# Altium PCB Zotino.PCBDOC (part 7 of 8) (continued)
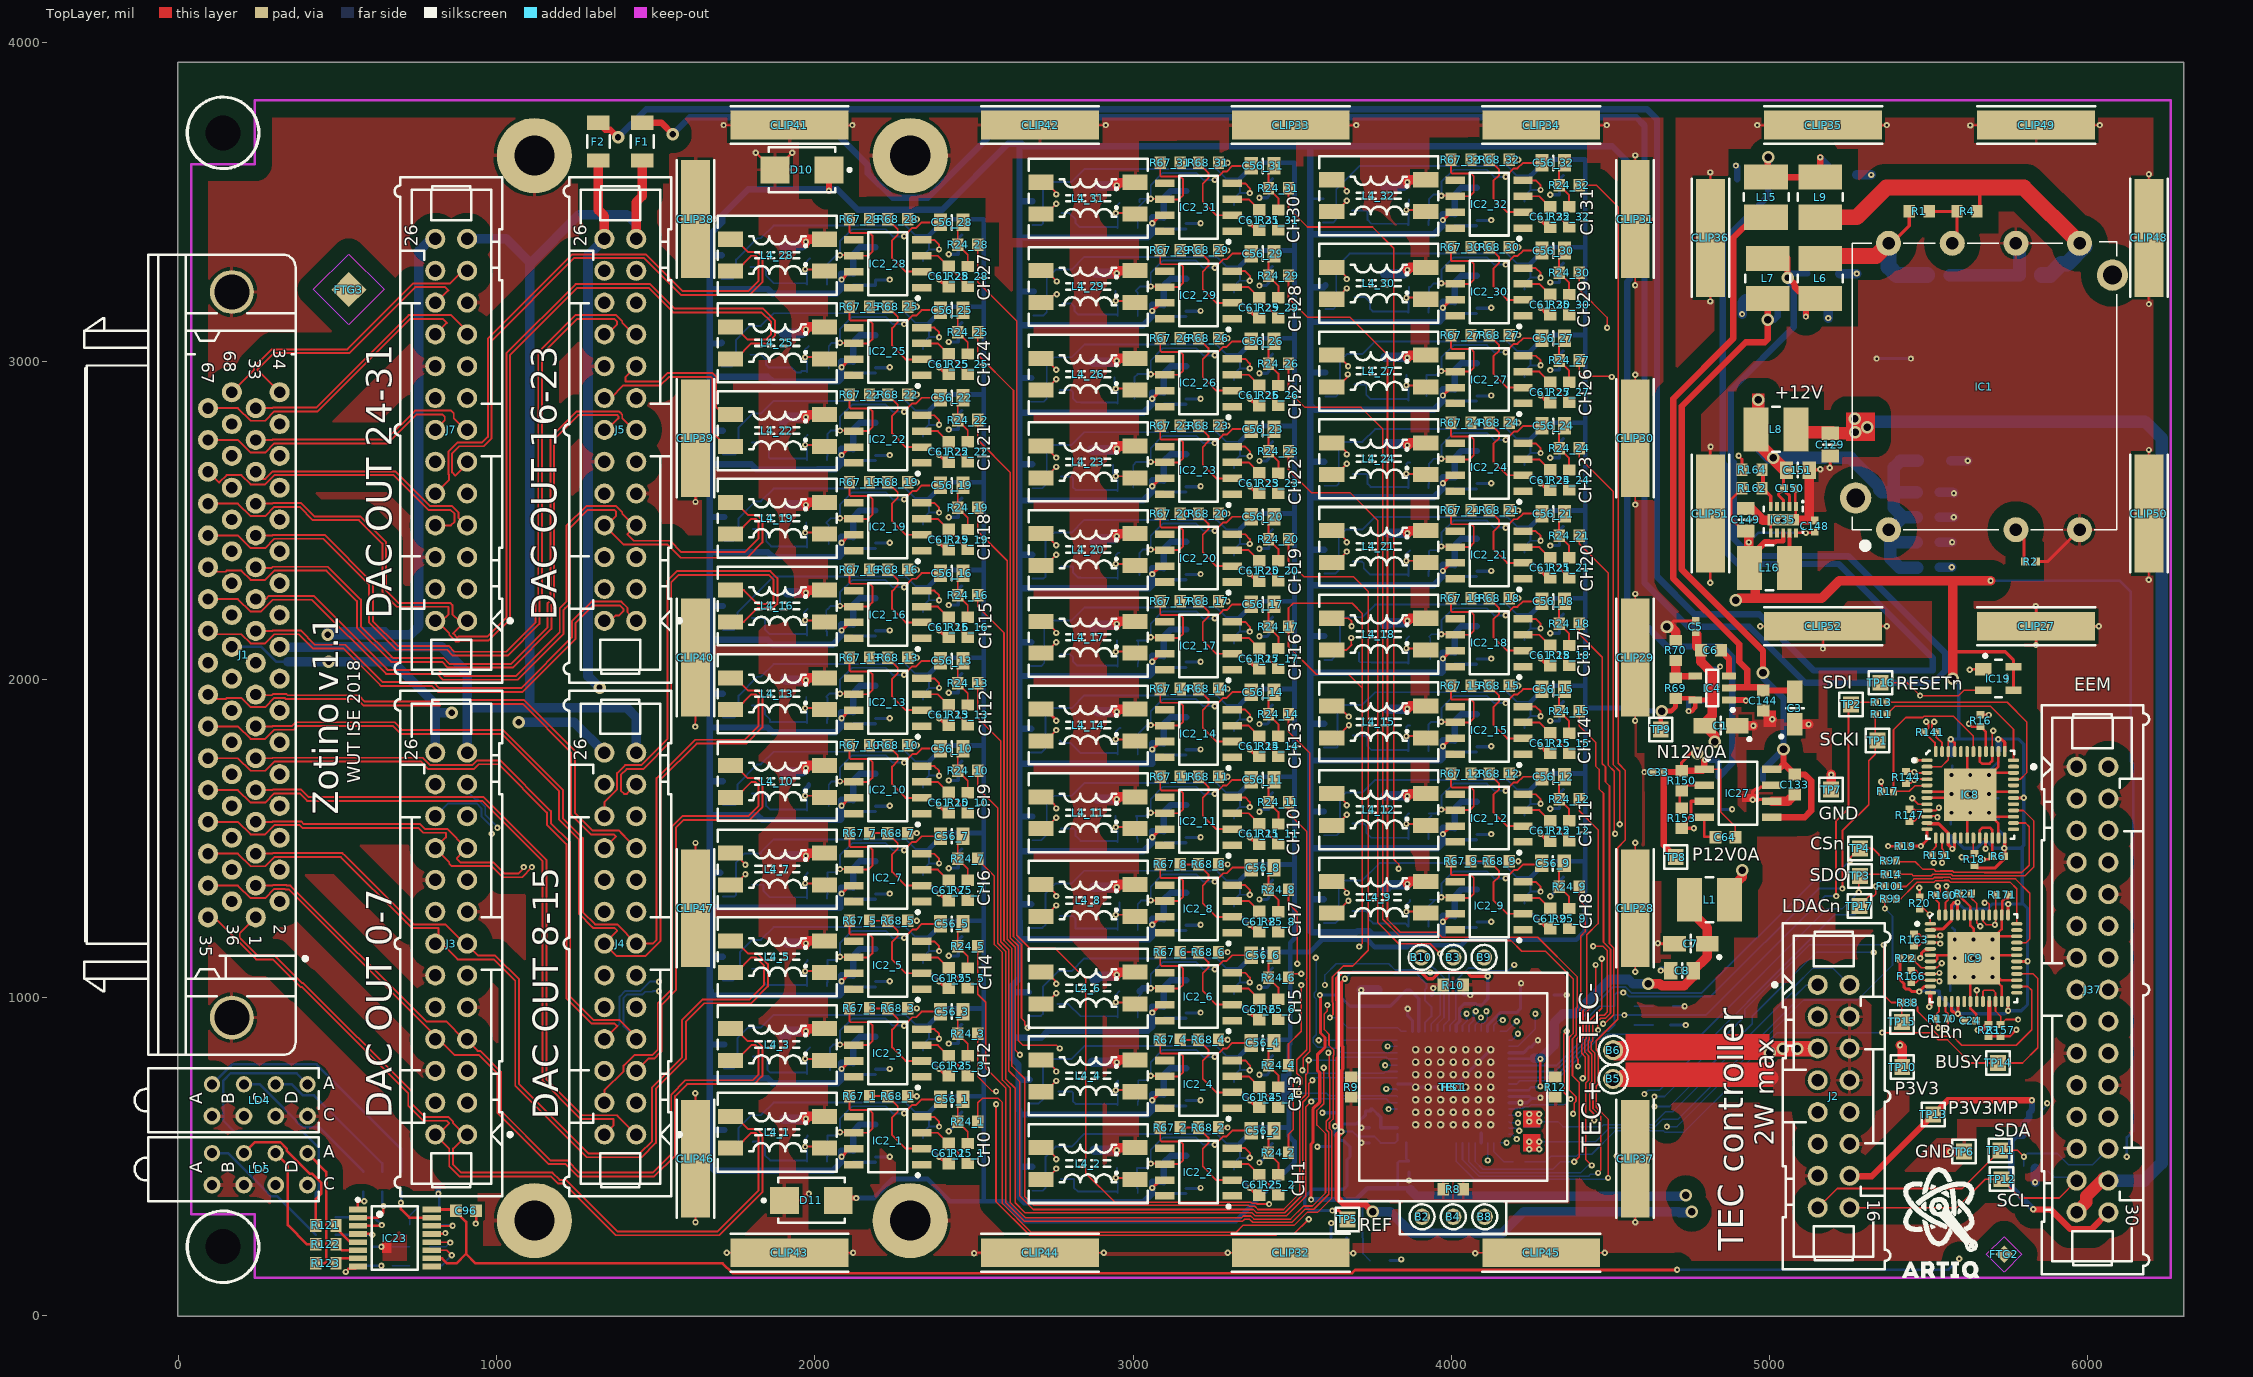
[diagram p0: TopLayer view]
## Nets (pads, with @x,y where several pads share a name; then routed paths per layer and width w, separated by ;. In a path a pad name is that pad's centre, name@x,y a point inside that pad or via, vN(x,y) a via of type N, cw(c..) or ccw(c..) an arc to the next point about the centre after c; other vN are vias at no path point) (continued)
  BottomLayer w6: R58.2@789.37,285.43 858.3,285.43 v1(861,282.73) ; IC18.55@4180.41,748.03 4181.09,748.71 4322.85,748.71 4453.94,879.8 4468.02,879.8 4483.57,895.34 4493.77,895.34 R116.2@4511.81,913.39 4511.81,940.94 4515.75,944.88 v1(4543.31,944.88) 4799.21,944.88 5173.23,1318.9 v1(5208.66,1318.9)
SDO: IC18.56 R14.1 TP3.1 | length 1482.7
  TopLayer w5: v1(5279.53,1330.71) 5279.53,1377.95 TP3.1@5283.46,1381.89 5288.46,1386.89 R14.1@5362.64,1386.89
  BottomLayer w5: 4204.72,728.35 4214.59,738.21 4327.86,738.21 4458.94,869.3 4472.37,869.3 4487.92,884.84 4786.42,884.84 5181.1,1279.53 5228.35,1279.53 v1(5279.53,1330.71)
  BottomLayer w6: IC18.56@4180.41,728.35 4204.72,728.35
TEC+: B5.1 J2.4 J2.6 J2.8 | length 496.9
  TopLayer w50: B5.1@4507.87,744.09 4535.43,744.09 4539.83,748.49 4630.68,748.49 4631.14,748.03 5002.75,748.03
TEC-: B6.1 J2.5 J2.7 J2.9 | length 874.1
  TopLayer w50: B6.1@4507.87,834.65 4515.75,826.77 4744.09,826.77 ; B6.1@4516.14,838.98 J2.5@5150.78,838.98
  other v3: 5000,826.77 5041.34,838.58 5086.61,839.57
VOUT1: IC18.42 R24_1.1 | length 2734.6
  TopLayer w5: R24_1.1@2511.5,610 2511.5,669.09 2526.21,683.8 2574.93,683.8 2588.84,669.89 2588.84,352.46 2678.65,262.66 3323.32,262.66 3344.5,283.83 3505.21,283.83 3546.24,324.86 3578.74,324.86 3624.23,370.35 3624.23,580.78 3616.69,588.32 3616.69,607.2 3627.85,618.36 3627.85,816.83 3630.61,819.59 3630.61,833.95 3615.01,849.55 3615.01,884.99 3600.77,899.23 3600.77,948.82 3610.23,958.28 v1(3610.23,976.38)
  Signal Layer 1 w5: v1(3610.23,976.38) 3648.01,976.38 3653.54,981.91 ; 3655.13,983.5 3653.54,981.91 ; v1(4047.24,948.82) 3921.26,948.82 3887.8,982.28 3885.83,980.31 3870.98,980.31 3869.39,981.91 3653.54,981.91
  BottomLayer w5: IC18.42@4034.74,893.7 4034.74,912.69 4051.18,929.13 4047.24,933.08 v1(4047.24,948.82)
VOUT2: IC18.43 R24_2.1 | length 1012.5
  TopLayer w5: R24_2.1@3487.87,511.58 3487.87,570.66 3502.59,585.38 3502.59,693.35 3502.34,693.6 3502.34,730.68 v1(3511.81,740.16)
  Signal Layer 1 w5: v1(3511.81,740.16) 3511.81,799.22 3544.61,832.02
  Signal Layer 1 w6: 3544.61,832.02 3579.14,832.02 3661.64,914.52 3761.15,914.52 3762.96,916.33 4052.31,916.33 4074.6,938.61 4074.6,955.27 v1(4075.87,956.54)
  BottomLayer w6: IC18.43@4054.43,893.7 4054.43,912.69 4069.02,927.29 4069.02,956.21 4068.9,956.34 4069.1,956.54 v1(4075.87,956.54)
VOUT3: IC18.44 R24_3.1 | length 2766.5
  TopLayer w5: R24_3.1@2511.5,885.59 2511.5,751.5 2558.11,704.89 v1(2568.84,704.89) ; v1(2568.84,664.89) 2568.84,358.32 2674.5,252.66 3448.82,252.66 3452.07,255.91 3503.94,255.91 v1(3551.18,303.15)
  Signal Layer 1 w5: v1(2568.84,664.89) v1(2568.84,704.89) ; v1(3551.18,303.15) 3574.8,326.77 3574.8,356.66 3576.24,358.1 3576.24,372.47 3562.99,385.71 3562.99,522.72 3561.4,524.31 3561.4,538.68 3577.14,554.42 3577.14,644.98 3592.8,660.63 3592.8,686.89 3592.15,687.54 3592.15,688.29 3581.08,699.36 3581.08,786.71 3591.23,796.87 3594.49,796.87 3596.82,799.21 3596.82,818.69 3595.93,819.59 3595.93,833.95 3606.09,844.11 3630.61,844.11 3690.51,904.02 3765.5,904.02 3767.31,905.83 4063.3,905.83 4092.44,934.97 v1(4092.44,937.01)
  BottomLayer w5: IC18.44@4074.11,893.7 4074.11,912.69 v1@4094.48,933.06
VOUT4: IC18.45 R24_4.1 | length 1008.5
  TopLayer w5: R24_4.1@3487.87,787.17 3487.87,854.01 3527.55,893.69 v1(3527.55,1039.37)
  Signal Layer 1 w5: v1(3527.55,1039.37) 3577.13,1039.37 3636.18,1098.42 3686.65,1098.42 3739.26,1045.81 3847.89,1045.81 3913.67,980.03 4070.58,980.03 4071.02,980.47 4085.92,980.47 v1(4109.78,956.61)
  BottomLayer w5: IC18.45@4093.8,893.7 4093.8,916.63 4096.83,919.66 4101.66,919.66 4111.82,929.82 4111.82,954.57 v1(4109.78,956.61)
VOUT5: IC18.47 R24_5.1 | length 3022.6
  TopLayer w5: R24_5.1@2511.5,1161.18 2511.5,1010.5 2536.71,985.29 2536.71,778.73 2598.84,716.61 2598.84,356.61 2657.9,297.55 3344.07,297.55 3349.98,303.46 3365.53,303.46 3375.16,293.83 3498.56,293.83 3539.59,334.86 3567.15,334.86 3614.23,381.95 3614.23,576.64 3606.69,584.18 3606.69,611.34 3617.85,622.5 3617.85,750.37 3616.04,752.18 3616.04,824 v1(3613.27,826.77)
  Signal Layer 1 w5: v1(3613.27,826.77) 3660.51,826.77 3727.76,894.02 3769.64,894.02 3771.45,895.83 4128.11,895.83 v1(4161.42,929.13)
  BottomLayer w5: IC18.47@4133.17,893.7 4133.17,912.69 4149.61,929.13 v1(4161.42,929.13)
VOUT6: IC18.48 R24_6.1 | length 921.7
  TopLayer w5: R24_6.1@3487.87,1062.76 3499.92,1074.8 v1(3527.55,1074.8)
  Signal Layer 1 w5: v1(3527.55,1074.8) 3562.42,1074.8 3621.48,1133.86 3697.47,1133.86 3698.67,1132.66 3721.33,1132.66 3722.53,1133.86 3764.48,1133.86 3830.58,1067.76 3905.37,1067.76 3921.74,1051.4 3948.6,1051.4 3956.69,1043.31 4125.98,1043.31 4204.72,964.57 v1(4204.72,925.2)
  BottomLayer w5: IC18.48@4152.85,893.7 4173.23,893.7 v1(4204.72,925.2)
VOUT7: IC18.49 R24_7.1 | length 3278.4
  TopLayer w5: R24_7.1@2511.5,1436.77 2511.5,1433.5 2563.84,1381.16 2563.84,1166.64 2588.84,1141.64 2588.84,740.75 2613.84,715.75 2613.84,355.75 2662.04,307.55 3339.92,307.55 3345.84,313.46 3369.67,313.46 3379.3,303.83 3494.42,303.83 3535.44,344.86 3563,344.86 3604.23,386.09 3604.23,572.49 3577.14,599.59 3577.14,644.98 3598.42,666.26 v1(3598.42,779.53)
  Signal Layer 1 w5: v1(3598.42,779.53) 3602.35,779.53 3606.29,783.46 3610.23,783.46 3626.4,799.63 3647.68,799.63 3651.19,803.15 3692.91,803.15 3775.59,885.83 v1(4208.66,885.83)
  BottomLayer w5: IC18.49@4180.41,866.14 4188.98,866.14 v1(4208.66,885.83)
VOUT8: IC18.50 R24_8.1 | length 1292.9
  TopLayer w5: R24_8.1@3487.87,1338.35 3487.87,1295.59 3515.75,1267.72 v1(3515.75,1106.3)
  Signal Layer 1 w5: v1(3515.75,1106.3) 3579.78,1106.3 3591.18,1117.71 3591.18,1128.09 3606.95,1143.86 3701.62,1143.86 3702.82,1142.66 3717.18,1142.66 3718.38,1143.86 3768.62,1143.86 3786.18,1126.3 3787.09,1126.3 3835.62,1077.76 3909.51,1077.76 3925.88,1061.4 3940.26,1061.4 3945.79,1066.93 4089.65,1066.93 4106.99,1084.27 4163.76,1084.27 4201.16,1046.87 4201.16,1038.09 4211.32,1027.93 4220.1,1027.93 4248.03,1000 4248.03,964.57 v1(4263.78,948.82)
  BottomLayer w5: IC18.50@4180.41,846.46 4207.91,846.46 4263.78,902.32 v1(4263.78,948.82)
VOUT9: IC18.21 R24_9.1 | length 1409.5
  TopLayer w5: v1(4397.64,783.46) 4397.64,806.69 4393.3,811.02 4393.3,869.71 4403.29,879.69 4403.29,963.07 4406.73,966.51 4406.73,1194.13 4419.76,1207.17 4419.76,1287.4 4401.26,1305.91 R24_9.1@4401.26,1348.19
  Signal Layer 1 w5: v1(3802.24,649.61) 3888.86,562.99 4137.8,562.99 4165.35,590.55 4165.35,688.98 4240.16,763.78 4346.57,763.78 4362.32,779.53 4405.5,779.53 4405.83,779.85 4402.21,783.46 v1(4397.64,783.46)
  BottomLayer w5: v1(3802.24,649.61) IC18.21@3830.02,649.61
VOUT10: IC18.22 R24_10.1 | length 2946.3
  TopLayer w5: R24_10.1@2511.5,1712.36 2511.5,1657.8 2573.84,1595.45 2573.84,1170.79 2598.84,1145.79 2598.84,744.89 2628.84,714.89 2628.84,354.89 2659.85,323.88 3373.4,323.88 3383.44,313.83 3480.57,313.83 3542.62,375.88 3542.62,656.8 v1(3559.05,673.23)
  BottomLayer w5: v1@3559.05,673.23 3567.54,681.71 3794.67,681.71 3807.09,669.29 IC18.22@3830.02,669.29
VOUT11: IC18.23 R24_11.1 | length 1276.2
  TopLayer w5: R24_11.1@3487.87,1613.94 3487.87,1579.06 3544.9,1522.03 3544.9,1059.75 3543.31,1058.15 3543.31,1056.02 3544.89,1054.43 3544.89,835.53 3514.15,804.79 3514.15,762.34 3529.15,747.34 3529.15,728.35 3519.68,718.87 v1(3519.68,700.79)
  BottomLayer w5: v1(3519.68,700.79) 3521.41,699.06 3607.13,699.06 3614.47,691.71 3827.28,691.71 IC18.23@3830.02,688.98
VOUT12: IC18.24 R24_12.1 | length 1859.9
  TopLayer w5: R24_12.1@4401.26,1623.78 4401.26,1586.93 4460.63,1527.56 4460.63,1232.28 4425.2,1196.85 4425.2,970.84 4413.29,958.93 4413.29,875.55 4409.09,871.36 4409.09,824.8 4420.63,813.26 4420.63,754.23 v1(4412.64,746.24)
  Signal Layer 1 w5: v1(3795.27,712.6) 3795.27,667.16 3784.9,656.79 3784.9,632.42 3874.02,543.31 4133.17,543.31 4180.41,590.55 4180.41,688.28 4240.16,748.03 4362.2,748.03 4364,746.24 v1(4412.64,746.24)
  BottomLayer w5: v1(3795.27,712.6) 3826.08,712.6 IC18.24@3830.02,708.66
VOUT13: IC18.26 R24_13.1 | length 3243.6
  TopLayer w5: R24_13.1@2511.5,1987.95 2511.5,1878.27 2583.84,1805.92 2583.84,1174.93 2608.84,1149.93 2608.84,769.89 2643.84,734.89 2643.84,375.75 2685.71,333.88 3377.54,333.88 3387.59,323.83 3476.43,323.83 3532.62,380.03 3532.62,671.32 3551.86,690.57 3551.86,729.03 v1(3562.99,740.16)
  BottomLayer w5: v1(3562.99,740.16) 3570.87,748.03 IC18.26@3830.02,748.03
VOUT14: IC18.27 R24_14.1 | length 1460.2
  TopLayer w5: R24_14.1@3487.87,1889.53 3487.87,1834.96 3555.12,1767.72 3555.12,831.61 3533.84,810.33 3533.84,774 v1(3531.5,771.65)
  BottomLayer w5: v1(3531.5,771.65) 3540.97,762.18 3787.4,762.18 3792.93,767.72 IC18.27@3830.02,767.72
VOUT15: IC18.28 R24_15.1 | length 1886.3
  TopLayer w5: R24_15.1@4401.26,1899.37 4401.26,1853.39 4452.76,1801.89 4452.76,1727.62 4463.84,1716.54 4463.84,1655.57 4477.68,1641.73 4477.68,1173.84 4499.78,1151.74 4499.78,950.21 4484.24,934.66 4469.19,934.66 4459.03,924.5 4459.03,899.24 v1(4460.63,897.64)
  Signal Layer 1 w5: v1(3791.34,787.4) 3791.34,814.81 3805.64,829.11 3806.4,829.11 3816.56,839.27 3816.56,840.03 3842.35,865.83 4189.99,865.83 4217.55,838.27 4442.96,838.27 4460.63,855.94 v1(4460.63,897.64)
  BottomLayer w5: v1(3791.34,787.4) IC18.28@3830.02,787.4
VOUT16: IC18.29 R24_16.1 | length 3567.2
  TopLayer w5: R24_16.1@2511.5,2263.54 2511.5,2228.66 2593.84,2146.32 2593.84,1179.07 2618.84,1154.07 2618.84,784.89 2658.84,744.89 2658.84,374.89 2687.05,346.68 3363.25,346.68 3366.06,343.88 3381.68,343.88 3391.73,333.83 3472.28,333.83 3522.62,384.17 3522.62,675.47 3541.86,694.71 3541.86,757.5 3548.84,764.47 3548.84,800.8 v1(3551.18,803.15)
  BottomLayer w5: v1(3551.18,803.15) 3638.7,803.15 3648.17,812.62 3795.28,812.62 3800.81,807.09 IC18.29@3830.02,807.09
VOUT17: IC18.30 R24_17.1 | length 2418.3
  TopLayer w5: v1(3710,1160) 3719.76,1169.76 3719.76,1972.44 ; 3719.76,1972.44 3676.46,2015.75 3574.8,2015.75 3487.87,2102.68 R24_17.1@3487.87,2165.12 3487.87,2224.21 3502.59,2238.92 3687.87,2238.92 3719.76,2207.03 3719.76,1972.44
  Signal Layer 1 w5: v1(3573.84,1124.89) 3614,1165.05 3673,1165.05 3678.05,1160 v1(3710,1160)
  BottomLayer w5: v1(3573.84,1124.89) 3574.8,1123.93 3574.8,1020.59 3569.27,1015.06 3569.27,1000.69 3574.8,995.16 3574.8,882.8 3565.33,873.32 3565.33,858.96 3580.17,844.11 3620.45,844.11 3625.53,839.03 3626.67,840.18 3641.04,840.18 3654.45,826.77 IC18.30@3830.02,826.77
VOUT18: IC18.31 R24_18.1 | length 2106.8
  TopLayer w5: R24_18.1@4401.26,2174.96 4401.26,2142.05 4473.84,2069.47 4473.84,1734.82 4483.84,1724.82 4483.84,1677.58 4496.5,1664.92 4496.5,1169.17 4509.78,1155.88 4509.78,946.07 4481.04,917.32 v1(4476.37,917.32)
  Signal Layer 1 w5: v1@3808.72,846.46 v1(3799.21,846.46) 3828.58,875.83 4194.14,875.83 4201.48,868.48 4202.38,868.48 4222.6,848.27 4411.26,848.27 4443.29,880.3 4443.29,904.82 4453.45,914.98 4467.81,914.98 4469.42,913.38 4476.37,913.38 v1(4476.37,917.32)
  BottomLayer w5: v1(3799.21,846.46) IC18.31@3830.02,846.46
VOUT19: IC18.32 R24_19.1 | length 2981.7
  TopLayer w5: R24_19.1@2511.5,2539.13 2511.5,2464.88 2603.84,2372.54 2603.84,1183.21 2628.84,1158.21 2628.84,834.89 v1(2643.84,819.89)
  Signal Layer 1 w5: v1(2643.84,819.89) 2646.1,817.63 3124.77,817.63 3141.15,834 3532.45,834 3534.11,835.66 3534.11,836.37 3540.26,842.52 3559.05,842.52 v1(3582.67,866.14)
  BottomLayer w5: v1(3582.67,866.14) IC18.32@3830.02,866.14
VOUT20: IC18.33 R24_20.1 | length 2025.4
  TopLayer w5: R24_20.1@3487.87,2440.71 3487.87,2370.4 3535.43,2322.83 3691.6,2322.83 3738.84,2275.59 3738.84,1148.29 3689.67,1099.11 3659.67,1099.11 3626.04,1065.49 3626.04,985.09 3627.57,983.56 3627.57,946.47 v1(3618.11,937.01)
  BottomLayer w5: v1(3618.11,937.01) 3642.05,937.01 3673.54,905.51 3830.71,905.51 3842.52,893.7 IC18.33@3857.57,893.7
VOUT21: IC18.37 R24_21.1 | length 2310.9
  TopLayer w5: R24_21.1@4401.26,2450.55 4401.26,2425.51 4492.13,2334.65 4492.13,1730.68 4511.5,1711.31 4511.5,1517.23 v1(4513.84,1514.89)
  Signal Layer 1 w5: v1(3933.06,1078.74) 4031.49,1078.74 4051.18,1098.43 4051.18,1141.73 4078.74,1169.29 4414.03,1169.29 4427.54,1155.78 4427.54,1154.23 4437.7,1144.07 4439.25,1144.07 4442.1,1141.22 4442.1,1118.25 4435.4,1111.55 4435.4,1095.18 4445.56,1085.02 4459.94,1085.02 4513.84,1138.92 v1(4513.84,1514.89)
  BottomLayer w5: v1(3933.06,1078.74) 3940.95,1078.74 3964.57,1055.12 3964.57,944.88 3936.32,916.63 IC18.37@3936.32,893.7
VOUT22: IC18.38 R24_22.1 | length 3762.7
  TopLayer w5: R24_22.1@2511.5,2814.72 2511.5,2752.28 2613.84,2649.94 2613.84,1187.35 2638.84,1162.35 2638.84,864.89 2653.84,849.89 2758.84,849.89 v1(2768.84,839.89)
  Signal Layer 1 w5: v1(2768.84,839.89) 3097.98,839.89 3110.41,852.31 3124.77,852.31 3135.04,842.04 3137,844 3527.6,844 3592.89,909.28 3592.89,983.56 3603.96,994.63 3603.96,1037.78 v1(3602.36,1039.37)
  BottomLayer w5: v1(3602.36,1039.37) 3602.36,1070.87 3637.8,1106.3 3803.15,1106.3 3822.83,1086.61 3916.41,1086.61 3925.88,1096.08 3940.25,1096.08 3945.78,1090.55 3947.84,1090.55 3976.38,1062.01 3976.38,937.01 3956,916.63 IC18.38@3956,893.7
VOUT23: IC18.39 R24_23.1 | length 2167.1
  TopLayer w5: R24_23.1@3487.87,2716.3 3487.87,2657.8 3559.06,2586.61 3681.1,2586.61 3767.72,2500 ; 3768.84,2500 3768.84,1234.89 3834.44,1169.29 3933.07,1169.29 v1(3964.57,1137.8)
  BottomLayer w5: v1(3964.57,1137.8) 3964.57,1114.17 3992.13,1086.61 3992.13,929.13 3975.69,912.69 IC18.39@3975.69,893.7
VOUT24: IC18.40 R24_24.1 | length 2389
  TopLayer w5: R24_24.1@4401.26,2726.14 4401.26,2697.17 4507.87,2590.55 4507.87,1732.28 4528.84,1711.32 v1(4528.84,1544.89)
  Signal Layer 1 w5: v1(4196.85,1102.36) 4211,1102.36 4238.35,1075.02 4464.08,1075.02 4531.18,1142.12 4531.18,1542.55 v1(4528.84,1544.89)
  BottomLayer w5: IC18.40@3995.37,893.7 3995.37,912.69 4013.41,930.73 4013.41,1052.78 4053.52,1092.89 4076.24,1092.89 4084.86,1084.27 4178.76,1084.27 v1(4196.85,1102.36)
VOUT25: IC18.60 R24_25.1 | length 4563.5
  TopLayer w5: R24_25.1@2511.49,3090.32 2511.49,3020 2623.84,2907.66 2623.84,1191.5 2648.84,1166.5 2648.84,934.89 2658.84,924.89 2658.84,914.89 v1(2668.84,904.89) ; v1(4362.28,893.98) 4352.73,884.43 4352.73,772.4 4353.96,771.17 4353.96,701.16 v1(4374.02,681.1)
  Signal Layer 1 w5: v1(2668.84,904.89) 2778.91,904.89 2877.95,1003.94 3467.6,1003.94 3520.37,1056.71 3562.98,1056.71 3624.38,1118.11 3681.1,1118.11 3743.4,1055.81 3852.74,1055.81 3918.02,990.53 4066.23,990.53 4066.67,990.97 4124.1,990.97 4178.76,936.32 4178.76,926.64 4202.23,903.17 4322.84,903.17 4332.02,893.98 v1(4362.28,893.98)
  BottomLayer w5: IC18.60@4180.41,649.61 4200.63,649.61 4202.38,651.36 4208.76,651.36 4209.35,651.95 4223.72,651.95 4228.56,656.79 4243.37,656.79 4249.94,663.37 4356.28,663.37 v1(4374.02,681.1)
VOUT26: IC18.61 R24_26.1 | length 3319.3
  TopLayer w5: R24_26.1@3487.87,2991.89 3487.87,2905.83 3539.37,2854.33 3715.65,2854.33 3783.84,2786.14 3783.84,1245.75 3836.43,1193.15 3951.91,1193.15 3965.77,1179.29 4186.85,1179.29 4220.47,1145.67 4295.28,1145.67 4382.1,1058.85 4382.1,886.79 4370.3,874.99 4370.3,709.35 4391.36,688.29 4391.36,673.92 4385.83,668.39 4385.83,638.7 v1(4381.89,634.76)
  Signal Layer 1 w5: v1(4209.57,634.02) 4209.57,635.67 4239.25,665.35 4291.12,665.35 4318.9,637.58 4378.62,637.58 v1@4381.89,634.31
  BottomLayer w5: IC18.61@4180.41,629.92 4204.4,629.92 4208.5,634.02 v1(4209.57,634.02)
VOUT27: IC18.62 R24_27.1 | length 2811.5
  TopLayer w5: R24_27.1@4401.26,3001.73 4401.26,2964.88 4413.39,2952.76 4500.97,2952.76 v1(4503.84,2949.89) ; v1(4448.82,614.17) 4446.78,616.21 4446.78,635.17 4434.72,647.23 4434.72,729.66 4440.63,735.56 4440.63,821.54 4429.34,832.83 4429.34,863.32 4433.29,867.27 4433.29,927.05 4472.44,966.2 v1(4472.44,1122.05)
  Signal Layer 1 w5: v1(4208.65,606.3) 4220.47,606.3 4236.22,590.55 4314.96,590.55 4338.58,614.17 v1(4448.82,614.17) ; v1(4472.44,1122.05) 4483.84,1133.45 4483.84,2929.89 v1(4503.84,2949.89)
  BottomLayer w5: IC18.62@4180.41,610.24 4184.35,606.3 v1(4208.65,606.3)
VOUT28: IC18.3 R24_28.1 | length 4607.6
  TopLayer w5: R24_28.1@2511.49,3365.91 2511.49,3248.35 2633.84,3126 2633.84,1195.64 2674.59,1154.89 2754.11,1154.89 2851,1058 2851,448.21 2941.95,357.26 3370.2,357.26 3373.59,353.88 3385.83,353.88 3388.53,351.18 v1(3426.89,351.18)
  Signal Layer 1 w5: v1(3426.89,351.18) 3432.29,351.18 3511.81,271.65 3578.74,271.65 3594.49,287.4 3594.49,323.74 3758.94,488.19 v1(4114.17,488.19)
  BottomLayer w5: IC18.3@4113.48,543.31 4113.48,488.88 v1(4114.17,488.19)
VOUT29: IC18.5 R24_29.1 | length 3893.5
  TopLayer w5: R24_29.1@3487.87,3267.48 3487.87,3197.17 3547.24,3137.8 3681.1,3137.8 3798.84,3020.06 3798.84,1244.89 3838.84,1204.89 3954.31,1204.89 3969.91,1189.29 4271.34,1189.29 4395.83,1064.8 4395.83,969.75 4392.1,966.02 4392.1,882.65 4380.3,870.84 4380.3,754.06 4401.36,732.99 4401.36,499.79 v1(4385.82,484.25)
  BottomLayer w5: IC18.5@4074.11,543.31 4074.11,484.94 4098.43,460.63 4318.9,460.63 4342.52,484.25 v1(4385.82,484.25)
VOUT30: IC18.6 R24_30.1 | length 3363.6
  TopLayer w5: R24_30.1@4401.26,3277.32 4401.26,3224.72 4488.84,3137.14 v1(4488.84,3104.89) ; v1(4440.94,472.44) 4421.26,492.13 4421.26,730.34 4430.63,739.71 4430.63,817.4 4419.34,828.69 4419.34,867.46 4423.29,871.41 4423.29,954.78 4452.75,984.24 v1(4452.75,1102.36)
  Signal Layer 1 w5: v1(4452.75,1102.36) 4459.17,1108.78 4459.17,1110.79 4455.1,1114.86 4455.1,1129.23 4473.84,1147.97 4473.84,3089.89 v1(4488.84,3104.89)
  BottomLayer w5: IC18.6@4054.43,543.31 4054.43,484.94 4090.55,448.82 4405.51,448.82 4429.13,472.44 v1(4440.94,472.44) ; v1(4452.75,1102.36) v1@4452.75,1106.29
VOUT31: IC18.7 R24_31.1 | length 4462.6
  TopLayer w5: R24_31.1@3487.87,3543.07 3487.87,3480.63 3547.24,3421.26 3751.97,3421.26 3818.84,3354.39 3818.84,1434.89 3833.84,1419.89 v1(3833.84,1404.89) ; v1(4444.88,1161.42) 4475.97,1161.42 4489.78,1147.6 4489.78,954.35 4480.1,944.66 4465.04,944.66 4443.29,922.91 4443.29,863.13 4439.34,859.18 4439.34,836.97 4444.72,831.6 4450.63,825.69 4450.63,731.42 4444.72,725.52 4444.72,651.37 4468.5,627.59 4468.5,456.69 v1(4460.63,448.82)
  Signal Layer 1 w5: v1(3833.84,1404.89) 3833.84,1360.1 3854.29,1339.65 3869.08,1339.65 3951.5,1257.23 3951.5,1223.96 3967.75,1207.71 3989.21,1207.71 4017.63,1179.29 4427.01,1179.29 v1(4444.88,1161.42)
  BottomLayer w5: IC18.7@4034.74,543.31 4034.74,490.49 4086.41,438.82 4430.94,438.82 4437.01,444.88 4456.69,444.88 v1(4460.63,448.82)
VOUT32: IC18.8 R24_32.1 | length 3830
  TopLayer w5: R24_32.1@4401.26,3552.91 4454.96,3552.91 4523.62,3484.25 4523.62,1736.22 4546.18,1713.66 4546.18,1495 4522.03,1470.85 4522.03,931.48 4454.72,864.17 4454.72,835.73 4460.63,829.83 4460.63,727.28 4454.72,721.37 4454.72,655.51 4492.13,618.11 v1(4492.13,433.07)
  BottomLayer w5: IC18.8@4015.06,543.31 4015.06,484.94 4071.18,428.82 4487.87,428.82 v1(4492.13,433.07)
pads on no net: B2.1 B3.1 B4.1 B8.1 B9.1 B10.1 FTG1.FTG2 FTG2.1 FTG3.1 FTG4.1 IC1.8 IC1.9 IC2_1.1 IC2_1.5 IC2_1.8 IC2_2.1 IC2_2.5 IC2_2.8 IC2_3.1 IC2_3.5 IC2_3.8 IC2_4.1 IC2_4.5 IC2_4.8 IC2_5.1 IC2_5.5 IC2_5.8 IC2_6.1 IC2_6.5 IC2_6.8 IC2_7.1 IC2_7.5 IC2_7.8 IC2_8.1 IC2_8.5 IC2_8.8 IC2_9.1 IC2_9.5 IC2_9.8 IC2_10.1 IC2_10.5 IC2_10.8 IC2_11.1 IC2_11.5 IC2_11.8 IC2_12.1 IC2_12.5 IC2_12.8 IC2_13.1 IC2_13.5 IC2_13.8 IC2_14.1 IC2_14.5 IC2_14.8 IC2_15.1 IC2_15.5 IC2_15.8 IC2_16.1 IC2_16.5 IC2_16.8 IC2_17.1 IC2_17.5 IC2_17.8 IC2_18.1 IC2_18.5 IC2_18.8 IC2_19.1 IC2_19.5 IC2_19.8 IC2_20.1 IC2_20.5 IC2_20.8 IC2_21.1 IC2_21.5 IC2_21.8 IC2_22.1 IC2_22.5 IC2_22.8 IC2_23.1 IC2_23.5 IC2_23.8 IC2_24.1 IC2_24.5 IC2_24.8 IC2_25.1 IC2_25.5 IC2_25.8 IC2_26.1 IC2_26.5 IC2_26.8 IC2_27.1 IC2_27.5 IC2_27.8 IC2_28.1 IC2_28.5 IC2_28.8 IC2_29.1 IC2_29.5 IC2_29.8 IC2_30.1 IC2_30.5 IC2_30.8 IC2_31.1 IC2_31.5 IC2_31.8 IC2_32.1 IC2_32.5 IC2_32.8 IC3.1 IC3.5 IC3.7 IC3.8 IC8.17 IC8.25 IC8.29 IC8.32 IC8.35 IC8.44 IC9.17 IC9.25 IC9.29 IC9.32 IC9.35 IC9.44 IC18.9 IC18.10 IC18.11 IC18.12 IC18.13 IC18.14 IC18.15 IC18.19 IC18.20 IC23.9 IC32.5 IC35.4 IC35.7

## Polygon pours and split planes (outlines as drawn)
N13V0_SCSI on BottomLayer "L3-No Net" (solid, remove dead copper, pour order 38): 846.46,3425.2 846.46,3346.46 826.77,3326.77 807.09,3307.09 767.72,3307.09 767.72,3248.03 767.72,2165.35 748.03,2145.67 728.35,2125.98 688.98,2125.98 452.76,2125.98 452.76,2185.04 708.66,2185.04 708.66,3385.83 748.03,3425.2
N13V0_SCSI on BottomLayer "L3-No Net" (solid, remove dead copper, pour order 36): 1377.95,3405.51 1377.95,3346.46 1342.15,3346.46 1318.9,3323.2 1318.9,3248.03 1318.9,2066.93 1358.27,2027.56 1358.27,1988.19 1358.27,1963.54 1353.3,1968.5 1240.16,1968.5 1240.16,3326.77 1279.53,3366.14 1330.26,3416.87 1371.45,3416.87
P13V0_SCSI on BottomLayer "L3-No Net" (solid, remove dead copper, pour order 34): 314.96,2153.51 333.4,2135.07 551.18,2135.07 932.82,2135.07 982.79,2185.04 982.79,2303.15 982.79,3288.86 944.88,3326.77 866.14,3326.77 866.14,3425.2 1062.99,3425.2 1129.72,3425.2 1188.78,3484.25 1208.46,3503.94 1417.32,3503.94 1504.43,3503.94 1514.27,3494.09 1515.75,3492.62 1515.75,3435.2 1515.75,3346.46 1390.93,3346.46 1390.93,3416.5 1299.21,3416.5 1299.21,3415.26 1200.79,3316.84 1181.1,3297.15 1181.1,3208.66 1181.1,1948.82 1496.06,1948.82 1496.06,1736.51 1491.84,1732.28 1397.64,1732.28 1397.64,1870.08 984.25,1870.08 984.25,1732.89 981.4,1730.04 866.14,1730.04 866.14,1989.71 807.09,2048.76 807.09,2056.21 325.68,2056.21 314.96,2066.93
P12V0 on BottomLayer "L3-No Net" (solid, remove dead copper, pour order 32): 5912.52,469.89 6141.73,469.89 6141.73,2696.85 6122.05,2716.54 5708.66,2716.54 5216.54,2716.54 5177.17,2755.91 5177.17,2834.65 5177.17,2893.7 5196.85,2913.39 5216.54,2933.07 5393.7,2933.07 6299.21,2933.07 6318.9,2952.76 6299.21,2933.07 6299.21,433.07 6259.84,393.7 6145.67,279.53 5948.82,279.53 5912.52,315.83
NetC136_1 on BottomLayer "TopLayer-No Net" (solid, remove dead copper, pour order 47): 5509.2,2313.33 5477.36,2281.5 5388.78,2281.5 5187.99,2482.28 5187.99,2579.72 5130.91,2636.81 4970.47,2636.81 4919.29,2687.99 4919.29,2891.73 4946.85,2919.29 5008.86,2919.29 5025.59,2902.56 5025.59,2778.54 5078.74,2725.39 5503.06,2725.39 5509.2,2719.26
TEC- on BottomLayer "TopLayer-No Net" (solid, remove dead copper, pour order 49): 5207.68,589.57 4944.88,589.57 4928.15,606.3 4928.15,785.43 5030.51,887.8 5207.68,887.8
P3V3 on BottomLayer "L3-No Net" (solid, remove dead copper, pour order 26): 5511.81,2086.61 5708.66,2086.61 5708.66,1900.38 5719.27,1889.76 5854.27,1889.76 5854.27,826.77 5393.7,826.77 5393.7,944.88 5433.07,984.25 5433.07,2086.61 5511.81,2086.61
P12V0 on BottomLayer "TopLayer-No Net" (solid, pour order 51): 5216.54,688.98 5218.5,690.94 5450.79,690.94 5666.84,474.89 6099.91,474.89 6141.73,433.07 6141.73,275.59 6043.31,177.17 5177.17,177.17 5059.06,295.28 5059.06,629.92 5118.11,688.98
P12V0A on BottomLayer "L3-No Net" (solid, remove dead copper, pour order 28): 4766.16,1687.01 5002.38,1687.01 5002.38,2202.94 4608.68,2202.94 4569.31,2242.31 4569.31,3699 2577.81,3699 2364.58,3485.78 2262.85,3485.78 2189.57,3559.06 1712.6,3559.06 1712.6,3445.91 2633.86,3445.91 2633.86,588.77 2685.04,588.77 2685.04,3620.26 2876.39,3620.26 3547.24,3620.26 3547.24,556.35 3623.84,556.35 3623.84,3620.26 4214.98,3620.26 4214.98,1352.58 4217.82,1349.74 4230.76,1336.8 4491.22,1336.8 4491.22,1691.78 4569.31,1769.87 4687.42,1887.98 4687.42,1927.35 4726.79,1966.72 4844.9,1966.72 4726.79,1966.72 4726.79,2006.09 4923.64,2006.09 4923.64,1887.98 4844.9,1887.98 4766.16,1809.24
N12V0A on BottomLayer "L3-No Net" (solid, remove dead copper, pour order 30): 4842.3,1984.25 4842.3,1905.51 4763.56,1826.77 4665.13,1728.35 4665.13,1610.24 4665.13,1295.86 4606.08,1236.81 4530.22,1160.95 4369.85,1160.95 4044.93,1160.95 4006.02,1122.05 3606.08,1122.05 3582.45,1098.43 3582.45,1019.68 3582.45,474.62 3542.44,434.61 3281.06,173.23 3129.7,173.23 2637.57,173.23 2460.41,173.23 2108.85,173.23 2108.85,413.04 2165.13,469.32 2175.1,479.28 2499.78,479.28 2513.36,479.28 2513.36,3448.82 2704.5,3448.82 2673.39,3417.7 2673.39,3185.04 2673.39,334.26 2676.94,330.71 2678.98,332.74 3070.64,332.74 3255.82,332.74 3293.16,370.08 3484.03,560.95 3484.03,645.67 3484.03,3625.98 3542.44,3625.98 3542.44,3461.27 3602.14,3401.57 3602.14,3283.46 3602.14,1192.91 3987.15,1192.91 4015.52,1221.29 4030.46,1236.22 4232.06,1236.22 4428.91,1236.22 4468.28,1275.59 4496.27,1303.58 4496.27,1374.02 4496.27,1697.28 4527.33,1728.35 4743.87,1944.88 4743.87,1964.57 4743.87,1984.25
GND on BottomLayer "balancing" (solid, remove dead copper, pour order 55): 0,3937.01 19.69,3917.32 6299.21,3917.32 6299.21,0.21 6299,0 -19.68,0
GND on TopLayer "TopLayer-No Net" (solid, remove dead copper, pour order 41): 3645.97,1077.76 4364.47,1077.76 4364.47,359.26 4361.92,361.81 3645.97,361.81
TEC+ on TopLayer "TopLayer-No Net" (solid, remove dead copper, pour order 43): 5318.9,972.44 5318.9,690.94 5011.81,690.94 5011.81,964.57 5043.31,996.06 5299.21,996.06 5322.83,972.44
GND on TopLayer "balancing" (solid, remove dead copper, pour order 57): 0,3956.69 6299.21,3956.69 6299,3956.48 6299,19.69 19.69,19.69 0,39.37
GND on Signal Layer 1 "balancing" (solid, remove dead copper, pour order 53): 0,3937.01 6299.21,3937.01 6299.11,3936.9 6299.11,0.11 0.11,0.11 0,0
GND on Internal Plane 2 (split plane): 6281.1,1972.33 6279.6,1968.72 6280.97,1968.72 6280.89,1967.82 6280.89,19.87 6181.1,19.87 6180.24,19.78 18.11,19.78 18.11,3918.89 4665.35,3918.89 4665.35,2322.83 4960.63,2027.56 5551.18,2027.56 5551.18,2066.93 4960.63,2066.93 4704.72,2322.83 4704.72,3918.89 6281.1,3918.89

## Keep-outs
KeepOutLayer:
  lines w8: 39.37,319 39.37,3619 240,3619 240,3819 6259.84,3819 6259.84,119 240,119 240,319 39.37,319

## Other copper
TopLayer:
  rectangle net TEC-: 4547.24,803.15 5000,885.83
  rectangle net TEC+: 4547.24,719.06 5011.81,795.28
  rectangle net P12V0: 5240.16,2748.03 5330.71,2838.58
  rectangle net NetC136_1: 4944.88,2834.65 4984.25,2897.64
  rectangle net NetJ2_2: 4224.41,591.54 4279.53,645.67
  rectangle net NetJ2_1: 4224.41,515.75 4279.53,570.87
  rectangle net GND: 4913.39,1614.17 4965.89,1638.79
  rectangle net GND: 4980.32,1850.39 5019.68,1901.57
  rectangle net GND: 4665.35,2145.67 4696.85,2157.48
  rectangle net GND: 639.77,196.85 669.29,235.23
  pour cut-out: 4704.72,3937.01 4704.72,2322.83 4960.63,2066.93 5551.18,2066.93 5551.18,2027.56 4960.63,2027.56 4665.35,2322.83 4665.35,3937.01
  pour cut-out: 3795.27,354.33 3852.76,354.33 3852.76,340.16 3858.27,334.65 3795.27,334.65
  pour cut-out: 4153.54,354.33 4370.08,354.33 4370.08,448.82 4389.76,448.82 4389.76,314.96 4153.54,314.96
Signal Layer 1:
  rectangle net GND: 3877.95,590.55 4133.86,846.46
  rectangle net GND: 4577.27,1476.38 4606.3,1496.06
  rectangle net GND: 1954.72,3090.55 1988.19,3107.12
  rectangle net GND: 5340.89,1654.47 5354.33,1692.91
  rectangle net GND: 2880.41,196.85 2933.07,216.54
  rectangle net GND: 3267.72,196.85 3321.36,216.54
  rectangle net GND: 3671.1,196.85 3721.85,216.54
  rectangle net GND: 4055.12,198.08 4096.95,216.54
  rectangle net GND: 4455.22,196.85 4507.87,216.54
  rectangle net GND: 2480.31,196.85 2533.96,216.54
  rectangle net GND: 2106.3,198.08 2145.67,216.54
  rectangle net GND: 1692.91,198.08 1746.55,216.54
  rectangle net GND: 620.57,195.91 658.84,221.48
  rectangle net GND: 4644.91,1070.1 4682.8,1108
  rectangle net GND: 4555.22,1073.48 4586.61,1107.53
  rectangle net GND: 5624.66,2007.87 5651.06,2051.4
  rectangle net GND: 5669.29,1887.89 5735.56,1905.62
  pour cut-out: 4704.72,3937.01 4704.72,2322.83 4960.63,2066.93 5551.18,2066.93 5551.18,2027.56 4960.63,2027.56 4665.35,2322.83 4665.35,3937.01
BottomLayer:
  rectangle net N12V0A: 3464.57,669.29 3484.25,761.57
  rectangle net NetJ2_2: 4228.35,590.55 4279.53,645.67
  rectangle net NetJ2_1: 4224.41,515.75 4279.53,570.87
  rectangle net GND: 807.09,374.02 824.61,414.17
  rectangle net GND: 4654.4,1079.59 4672.42,1097.61
  pour cut-out: 4232.28,1023.62 4251.97,1023.62 4251.97,1077.76 4248.65,1081.08 4232.28,1081.08
  pour cut-out: 4704.72,3937.01 4704.72,2322.83 4960.63,2066.93 5551.18,2066.93 5551.18,2027.56 4960.63,2027.56 4665.35,2322.83 4665.35,3937.01